# Altium PCB volt_sensor_breakout.PcbDoc (part 2 of 2)
Units mil, origin at the board's own origin, x right, y up, seen from the top; angles counter-clockwise.
Board outline 9380 x 6000 mil, 2 copper layers (Top Layer, Bottom Layer); 277 components, 136 nets, 760 pads, 123 vias.
Unrouted connection lines stored in the file: 91.
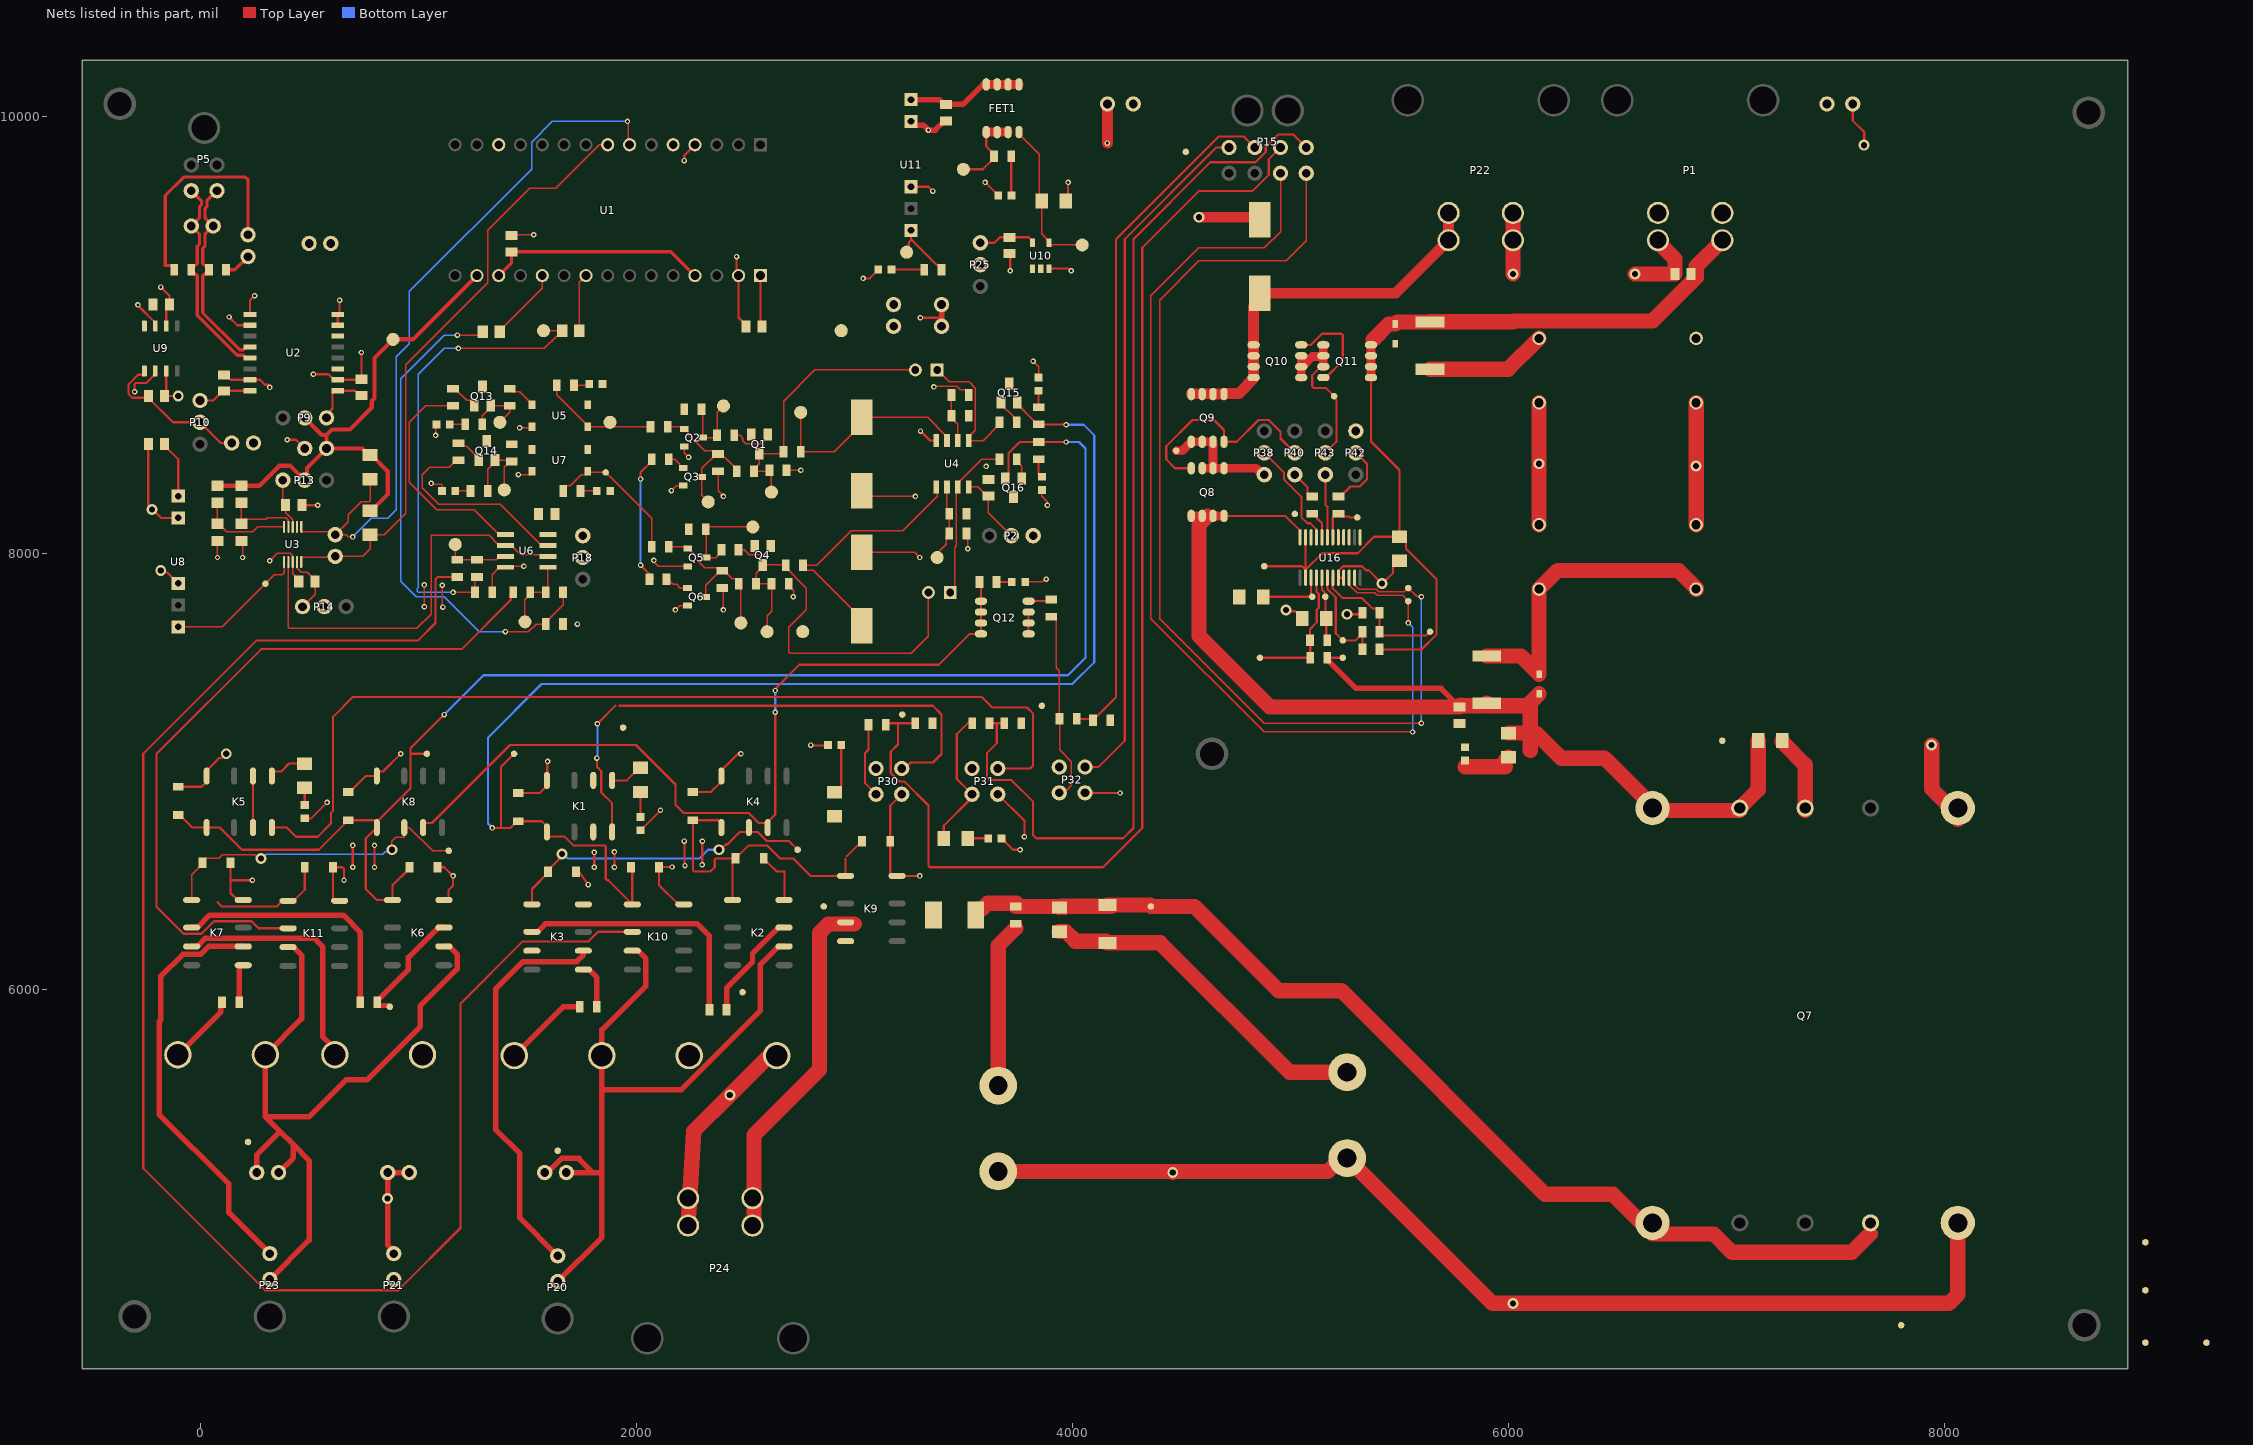
[diagram p2: the nets of this part, all layers, seen from the top]

## Part data (continued)
R104: library part ERJ-6ENF8062V, "RES SMD 80.6K OHM 1% 1/8W 0805", Digi-Key Part Number=P80.6KCCT-ND, Manufacturer="Panasonic Electronic Components", Operating Temperature="-55°C ~ 155°C", Package / Case="0805 (2012 Metric)", Power (Watts)="0.125W, 1/8W", Supplier Device Package=0805, Temperature Coefficient=±100ppm/°C, Tolerance=±1%, @ qty=1500, Composition="Thick Film", Datasheets=http://industrial.panasonic.com/www-cgi/jvcr13pz.cgi?E+PZ+3+AOA0002+ERJ6ENF8062V+7+WW, Factory Stock=0, Failure Rate=-, Features="Automotive AEC-Q200", Height - Seated (Max)="0.028\" (0.70mm)", Image=//media.digikey.com/Renders/Panasonic%20Renders/ERJ-0805%20Pkg.jpg, Minimum Quantity=1, Number of Terminations=2, Packaging="Cut Tape (CT)", Part Number=ERJ-6ENF8062V, Part Status=Active, Quantity Available=48051, Series=ERJ, Size / Dimension="0.079\" L x 0.049\" W (2.00mm x 1.25mm)", Unit Price (USD)=0.00729
TP1 TP2 TP3 TP4 TP5 TP6 TP7 TP8 TP9 TP10 TP11 TP12 TP13 TP14 TP15 TP18 TP19 TP20 TP21 TP22 TP23 TP24 TP25 TP26: library part CMP-039-000000-1, "SMD TEST POINT", Design Item ID=TP, Source=misc.SchLib
TP27 TP28 TP29 TP30 TP31 TP32 TP34 TP35 TP36 TP37 TP40 TP42 TP45 TP46 TP47 TP48 TP49 TP50 TP51 TP53 TP54 TP55 TP56 TP57 TP58 TP59 TP60 TP61 TP62 TP63 TP64: "SMD TEST POINT"
U1: library part CMP-020-000017-1, "BOARD NUCLEO STM32F303K8T6", Manufacturer=STMicroelectronics, ComponentLink1Description=http://www.farnell.com/datasheets/2064195.pdf?src-supplier=Farnell, ComponentLink1URL=http://www.farnell.com/datasheets/2064195.pdf?src-supplier=Farnell, ComponentLink2Description=http://www.st.com/content/ccc/resource/technical/document/data_brief/b1/d8/13/d4/b0/b7/4b/6e/DM00214578.pdf/files/DM00214578.pdf/jcr:content/translations/en.DM00214578.pdf?src-supplier=Digi-Key, ComponentLink2URL=http://www.st.com/content/ccc/resource/technical/document/data_brief/b1/d8/13/d4/b0/b7/4b/6e/DM00214578.pdf/files/DM00214578.pdf/jcr:content/translations/en.DM00214578.pdf?src-supplier=Digi-Key, ComponentLink3Description=http://www.farnell.com/datasheets/1966773.pdf?src-supplier=Element14, ComponentLink3URL=http://www.farnell.com/datasheets/1966773.pdf?src-supplier=Element14, ComponentLink4Description=http://www.farnell.com/datasheets/2064195.pdf?src-supplier=Newark, ComponentLink4URL=http://www.farnell.com/datasheets/2064195.pdf?src-supplier=Newark, ComponentLink5Description=http://www.st.com/st-web-ui/static/active/en/resource/technical/document/user_manual/DM00116575.pdf?s_searchtype=keyword&src-supplier=Avnet+Asia, ComponentLink5URL=http://www.st.com/st-web-ui/static/active/en/resource/technical/document/user_manual/DM00116575.pdf?s_searchtype=keyword&src-supplier=Avnet+Asia, ComponentLink6Description=http://www.st.com/st-web-ui/static/active/en/resource/technical/document/user_manual/DM00116575.pdf?s_searchtype=keyword&src-supplier=Avnet, ComponentLink6URL=http://www.st.com/st-web-ui/static/active/en/resource/technical/document/user_manual/DM00116575.pdf?s_searchtype=keyword&src-supplier=Avnet, ComponentLink7Description=http://www.farnell.com/datasheets/2064195.pdf?src-supplier=Element14, ComponentLink7URL=http://www.farnell.com/datasheets/2064195.pdf?src-supplier=Element14, Core Architecture=ARM, Design Item ID=NUCLEO-L432KC, Evaluation Kit=Yes, Lead Free="Lead Free", Manufacturer Part Number=NUCLEO-L432KC, Number of Bits=32, PartId=1, Pricing 1="1=10.99000 (USD)", Pricing 2="1=12.40000 (USD)", REACH SVHC="No SVHC", RoHS=Yes, Source=ic.SchLib, Stock 1=171, Stock 2=56
U2: library part CMP-031-00010-1, "IC TXRX/ISO HALF 1/1 16SOIC", Manufacturer="Texas Instruments", Max Operating Temperature=105°C, Min Operating Temperature=-55°C, Package Body Material=Plastic, Package Code=SOP, Package Shape=Rectangular, Package Style="SMALL OUTLINEMeter", Peak Reflow Temperature (Cel)=260°C, Supply Voltage-Nom=5V, Temperature Grade=OTHER, Category="Interface ICs", ComponentLink1Description=https://www.ti.com:443/lit/ds/symlink/iso1050.pdf?src-supplier=IHS+Markit, ComponentLink1URL=https://www.ti.com:443/lit/ds/symlink/iso1050.pdf?src-supplier=IHS+Markit, ComponentLink2Description=https://datasheet.ciiva.com/4782/slls983e-121851-4782209.pdf?src-supplier=Mouser, ComponentLink2URL=https://datasheet.ciiva.com/4782/slls983e-121851-4782209.pdf?src-supplier=Mouser, ComponentLink3Description=https://datasheet.ciiva.com/26913/getdatasheetpartid-573378-26913111.pdf?src-supplier=Verical, ComponentLink3URL=https://datasheet.ciiva.com/26913/getdatasheetpartid-573378-26913111.pdf?src-supplier=Verical, Design Item ID=ISO1050DWR, Height - Seated (Max)=2.65mm, JESD-30 Code=R-PDSO-G16, JESD-609 Code=e4, Length=10.3mm, Manufacturer Part Number=ISO1050DWR, Moisture Sensitivity Level=2, Number of Functions=1, Pins=16, Pricing 1="1=6.50000, 10=5.84000, 25=5.52000, 50=5.52000, 100=4.79000, 1000=3.56000, 10000=3.56000 (USD)", Qualification Status="Not Qualified", REACH SVHC=Yes, RoHS=Yes, RoHS Compliant=Yes, Source=ic.SchLib, Surface Mount=Yes, Telecom IC Type="INTERFACE CIRCUIT", Terminal Finish=Nickel, Terminal Form="Gull Wing", Terminal Pitch=1.27mm, Terminal Position=DUAL, Width=7.5mm
U3: library part CMP-008-000013-1, "Digital Potentiometer, 1 Func, 10000ohm, 2-wire Serial Control Interface, 128 Positions, PDSO10"
U4: library part CMP-014-00006-1, "IC OPAMP JFET 3MHZ 8SOIC", Case/Package=D, Dual Supply Voltage=9V, Input Bias Current=200pA, Input Offset Voltage (Vos)=10mV, Manufacturer="Texas Instruments", Max Operating Temperature=85°C, Max Supply Voltage=18V, Min Operating Temperature=-40°C, Min Supply Voltage=3.5V, Nominal Supply Current=5mA, Operating Supply Current=1.4mA, Package Quantity=1, Voltage Gain=106.02dB, Bandwidth=3MHz, Common Mode Rejection Ratio=70dB, ComponentLink1Description=http://www.ti.com/lit/ds/symlink/tl071a.pdf?src-supplier=Digi-Key, ComponentLink1URL=http://www.ti.com/lit/ds/symlink/tl071a.pdf?src-supplier=Digi-Key, ComponentLink2Description=http://www.ti.com/general/docs/lit/getliterature.tsp?genericPartNumber=TL072&&fileType=pdf&src-supplier=Avnet, ComponentLink2URL=http://www.ti.com/general/docs/lit/getliterature.tsp?genericPartNumber=TL072&&fileType=pdf&src-supplier=Avnet, ComponentLink3Description=http://www.farnell.com/datasheets/1882732.pdf?src-supplier=Element14, ComponentLink3URL=http://www.farnell.com/datasheets/1882732.pdf?src-supplier=Element14, Contact Plating=Gold, Design Item ID=TL072CDR, Gain Bandwidth Product=3MHz, Height=1.58mm, Lead Free="Lead Free", Length=4.9mm, Manufacturer Part Number=TL072CDR, Max I/O Voltage=10mV, Nominal Gain Bandwidth Product=3MHz, Number of Amplifiers=2, Number of Channels=2, Number of Circuits=2, Number of Elements=2, Packaging="Tape and Reel", Pins=8, Pricing 1="1=0.41, 10=0.334, 100=0.2059, 500=0.1562, 1000=0.11715 (USD)", Radiation Hardening=No, REACH SVHC="No SVHC", Slew Rate=13V/µs, Source=ic.SchLib, Stock 1=21821, Unity Gain Bandwidth Product=3MHz, Width=3.91mm
U5 U7: library part CMP-020-000001-1, "Transistor Output Optocoupler", Manufacturer=Isocom, Category=Optocouplers, ComponentLink1Description=https://datasheet.ciiva.com:443/pdfs/VipMasterIC/IC/ISCL/ISCL-S-A0004892693/ISCL-S-A0004892693-1.pdf?src-supplier=IHS+Markit, ComponentLink1URL=https://datasheet.ciiva.com:443/pdfs/VipMasterIC/IC/ISCL/ISCL-S-A0004892693/ISCL-S-A0004892693-1.pdf?src-supplier=IHS+Markit, ComponentLink2Description=https://datasheet.ciiva.com/7996/90946-7996982.pdf?src-supplier=Element14, ComponentLink2URL=https://datasheet.ciiva.com/7996/90946-7996982.pdf?src-supplier=Element14, Design Item ID=IS181D, Manufacturer Part Number=IS181D, Pricing 1="1=0.59000, 10=0.36000, 100=0.20720, 1000=0.16218 (USD)", RoHS=Yes, RoHS Compliant=Yes, Source=ic.SchLib, Stock 1=15104
U6: library part CMP-014-00010-1, "Comparator, 2 Func, 7000uV Offset-Max, 240000ns Response Time, CMOS, PDSO8", Max Operating Temperature=70°C, Min Operating Temperature=0°C, Output Type=PUSH-PULL, RoHS Compliant=Yes
U8 U11: library part CMP-008-000009-3, "DC-DC Regulated Power Supply Module, 1 Output, 1W, Hybrid"
U9: library part CMP-031-00025-1, "Fixed Positive Standard Regulator, 5VBIPolar, PDSO8", RoHS Compliant=Yes
U10: library part CMP-017-000001-1, "AND Gate, 4000/14000/40000 Series, 1-Func, 2-Input, CMOS, PDSO5", Load Capacitance (CL)=50pF, Manufacturer=Rohm, Max Operating Temperature=85°C, Min Operating Temperature=-40°C, Package Body Material=Plastic, Package Code=LSSOP, Package Equivalence Code=TSOP5/6,.11,37, Package Shape=Rectangular, Package Style="SMALL OUTLINE, LOW PROFILE, SHRINK PITCHMeter", Power Supplies=3/16V, Supply Voltage-Max (Vsup)=16V, Supply Voltage-Min (Vsup)=3V, Supply Voltage-Nom (Vsup)=5V, Temperature Grade=INDUSTRIAL, Category="Logic Gates", ComponentLink1Description=https://datasheet.ciiva.com:443/pdfs/VipMasterIC/IC/ROHM/ROHM-S-A0001749750/ROHM-S-A0001749750-1.pdf?src-supplier=IHS+Markit, ComponentLink1URL=https://datasheet.ciiva.com:443/pdfs/VipMasterIC/IC/ROHM/ROHM-S-A0001749750/ROHM-S-A0001749750-1.pdf?src-supplier=IHS+Markit, ComponentLink2Description=https://datasheet.ciiva.com/12254/bu4s81g2-e-209681-12254411.pdf?src-supplier=Mouser, ComponentLink2URL=https://datasheet.ciiva.com/12254/bu4s81g2-e-209681-12254411.pdf?src-supplier=Mouser, ComponentLink3Description=https://datasheet.ciiva.com/1508/bu4s81g2-e-1508101.pdf?src-supplier=Element14, ComponentLink3URL=https://datasheet.ciiva.com/1508/bu4s81g2-e-1508101.pdf?src-supplier=Element14, ComponentLink4Description=https://datasheet.ciiva.com/1508/bu4s81g2-e-1508102.pdf?src-supplier=Element14, ComponentLink4URL=https://datasheet.ciiva.com/1508/bu4s81g2-e-1508102.pdf?src-supplier=Element14, ComponentLink5Description=https://datasheet.ciiva.com/8274/bu4s01g2-e-8274597.pdf?src-supplier=Avnet, ComponentLink5URL=https://datasheet.ciiva.com/8274/bu4s01g2-e-8274597.pdf?src-supplier=Avnet, ComponentLink6Description=https://datasheet.ciiva.com/6619/bu4s01g2-e-6619800.pdf?src-supplier=Digi-Key, ComponentLink6URL=https://datasheet.ciiva.com/6619/bu4s01g2-e-6619800.pdf?src-supplier=Digi-Key, ComponentLink7Description=https://datasheet.ciiva.com/6619/bu4s01g2-e-6619813.pdf?src-supplier=Digi-Key, ComponentLink7URL=https://datasheet.ciiva.com/6619/bu4s01g2-e-6619813.pdf?src-supplier=Digi-Key, ComponentLink8Description=https://datasheet.ciiva.com/6619/bu4s01g2-e-6619814.pdf?src-supplier=Digi-Key, ComponentLink8URL=https://datasheet.ciiva.com/6619/bu4s01g2-e-6619814.pdf?src-supplier=Digi-Key, ComponentLink9Description=https://datasheet.ciiva.com/16678/bu4s01g2-e-16678569.pdf?src-supplier=Avnet+Europe, ComponentLink9URL=https://datasheet.ciiva.com/16678/bu4s01g2-e-16678569.pdf?src-supplier=Avnet+Europe, Design Item ID=BU4S81G2-TR, Height - Seated (Max)=1.25mm, JESD-30 Code=R-PDSO-G5, Length=2.9mm, Logic IC Type="AND GATE", Manufacturer Part Number=BU4S81G2-TR, Moisture Sensitivity Level=1, Number of Functions=1, Number of Inputs=2, Number of Pins=5, Packaging="Tape and Reel", Pricing 1="1=0.90000, 10=0.79200, 25=0.74400, 100=0.60720, 250=0.56396, 500=0.47996, 1000=0.38397 (USD)", Qualification Status="Not Qualified", REACH SVHC=Yes, RoHS=Yes, RoHS Compliant=Yes, Schmitt Trigger=No, Source=ic.SchLib, Stock 1=2698, Surface Mount=Yes, Technology=CMOS, Terminal Form="Gull Wing", Terminal Pitch=0.95mm, Terminal Position=DUAL, Width=1.6mm
U16: library part CMP-008-000010-2, "Power Supply Support Circuit, Adjustable, 3 Channel, CMOS, PDSO24"

## Via types
v1: diameter 25, hole 13, Top Layer to Bottom Layer, 101 vias
v2: diameter 50, hole 28, Top Layer to Bottom Layer, 22 vias

## Nets (pads, with @x,y where several pads share a name; then routed paths per layer and width w, separated by ;. In a path a pad name is that pad's centre, name@x,y a point inside that pad or via, vN(x,y) a via of type N, cw(c..) or ccw(c..) an arc to the next point about the centre after c; other vN are vias at no path point)
12V_DCDC: C21.1 D4.2 P4.1 Q7.9 Q7.10 Q8.5 Q8.6 Q8.7 Q8.8 R27.2 R91.2 R94.1 R97.1 TP50.1 TP55.1 U16.24 | length 5344
  Top Layer w10: Q8.8@4695,8170.75 4976.48,8170.75 5045.07,8102.16 U16.24@5045.07,8101.62 ; R97.1@5169.09,7520 TP55.1@5240,7520
  Top Layer w25: R97.1@5169.09,7520 5169.09,7511.14 5300.24,7380 5690.62,7380 C21.1@5775.82,7294.8
  Top Layer w40: Q8.5@4545,8170.75 Q8.6@4595,8170.75 4620,8170.75 Q8.7@4645,8170.75 Q8.8@4695,8170.75
  Top Layer w70: 4620,8170.75 4580,8130.75 4580,7620 4905.2,7294.8 C21.1@5775.82,7294.8 C21.1@5781.01,7300 ; C21.1@5772.71,7300 C21.1@5781.01,7300 ; C21.1@5783.38,7302.37 C21.1@5781.01,7300 ; R27.2@5880,7300 C21.1@5781.01,7300 ; R27.2@5890.67,7302.37 R27.2@5900,7311.69 ; R27.2@5900,7300 6096.97,7300 ; R94.1@6000,7175.12 6124.88,7175.12 6240,7060 6440,7060 6660,6840 Q7.10@6660,6830.79 ; 6096.97,7311.69 6100,7314.72 ; 6100,7095.12 6100,7314.72 ; D4.2@6140,7354.72 6100,7314.72 ; Q7.10@6680,6820 Q7.9@7060,6820 ; Q7.9@7060,6830.79 7144.88,6915.67 R91.2@7144.88,7140
12V_RAW: C16.1 C19.1 C23.1 FET1.1 FET1.2 FET1.3 K1.3 K1.6 K5.3 K5.6 P2.3 P3.2 P22.2 P25.2 P30.2 P31.2 P32.2 Q1.2 Q4.2 Q9.5 Q9.6 Q9.7 Q9.8 Q10.5 Q10.6 Q10.7 Q10.8 Q12.1 Q12.2 Q12.3 Q15.3 Q16.3 R3.1 R25.1 R35.2 R47.2 R55.2 TP25.1 U5.4 U7.4 U8.1 U9.8 U16.15 | length 2791.1
  Top Layer w10: C16.1@-162.6,8500 -162.6,8493.11 -100,8430.51 U8.1@-100,8261.5 ; K5.3@242.99,6741.89 K5.6@242.99,6978.11 ; TP25.1@3500,9760 3589.49,9760 3640.63,9811.14 R47.2@3640.63,9820 3640.63,9828.86 3605,9864.49 FET1.1@3605,9930.75 ; Q12.1@3799.37,7629.88 Q12.2@3799.37,7679.88 Q12.3@3799.37,7729.88
  Top Layer w40: FET1.1@3605,9930.75 FET1.2@3655,9930.75 FET1.3@3705,9930.75
  Top Layer w50: Q9.8@4545,8730.75 Q9.6@4635,8730.75 ; Q9.6@4638.31,8727.48 Q9.6@4645,8727.48 ; Q9.6@4645,8729.25 Q9.5@4695,8729.25 4698.54,8732.8 4763.27,8732.8 4830.75,8800.28 Q10.8@4830.75,8805 Q10.7@4830.75,8855 Q10.6@4830.75,8905 Q10.5@4830.75,8955 4830.75,9129.96 4863.62,9162.83 C19.1@4863.62,9178.18 ; C19.1@4860,9191.69 5481.89,9191.69 P22.2@5725,9434.8 P22.2@5725,9560
12V_SUPPL: C20.1 D9.2 P1.1 Q11.5 Q11.6 Q11.7 Q11.8 R34.2 R100.1 R102.2 TP60.1 U16.2 U16.23 | length 4516.8
  Top Layer w10: TP60.1@4880,7940 5053.14,7940 5068.47,7924.67 5068.47,7888.2 U16.2@5069.19,7887.48 ; U16.2@5068.47,7886.76 U16.2@5069.19,7887.48 ; U16.23@5069.19,8072.52 U16.2@5069.19,7887.48 ; Q11.5@5369.25,8805 5369.25,8511.79 5500,8381.04 R102.2@5500,8075.12 ; R100.1@5408.46,7560 5406.5,7558.03 5600.46,7558.03 5670,7627.57 5670,7879.09 5529.45,8019.64 5529.45,8051.57 5505.91,8075.12 R102.2@5500,8075.12 ; U16.2@5069.19,7887.48 5069.92,7888.2 5069.92,7924.67 5145.14,7999.9 5308.04,7999.9 5383.26,8075.12 R102.2@5500,8075.12
  Top Layer w40: Q11.5@5369.25,8805 Q11.6@5369.25,8855 Q11.7@5369.25,8905 Q11.8@5369.25,8955
  Top Layer w70: 5380,8980 5450.55,9050.55 D9.2@5480,9050.55 5489.45,9060 R34.2@5640,9060 5641,9061 6021,9061 6025,9065 6660.74,9065 6860,9264.26 6860,9314.8 P1.1@6980,9434.8
78_MC: Q13.2 R18.1 R24.2 TP8.1 | length 293.2
  Top Layer w6: R24.2@1294.37,8590.37 1294.37,8630.79 1332.4,8668.82 Q13.2@1332.4,8676.69 1333.46,8675.63 R18.1@1420,8675.63 1420,8645 TP8.1@1375,8600 ; R24.2@1304,8600 R24.2@1304,8608.86
78_MPPT: Q14.2 R29.1 R31.2 TP14.1 | length 392.9
  Top Layer w6: R31.2@1324.37,8290 R31.2@1319.37,8285 1319.37,8385.79 1352.4,8418.82 Q14.2@1352.4,8426.69 1423.94,8426.69 R29.1@1430,8420.63 1421.14,8420.63 1395,8394.49 TP14.1@1395,8290
BATTERY_REF: U3.7 U6.2 U6.6 | length 1920.8
  Top Layer w6: U3.7@405.31,7959.29 405.31,7658.2 408.83,7654.68 994.68,7654.68 1060,7720 1060,8079.49 1063.51,8083 1325,8083 1373,8035 U6.2@1401,8035 1429,8035 1471,7993 1587,7993 U6.6@1595,7985
BOTH_PRC_DONE: FET1.4 R65.2 TP24.1 U10.4 | length 711
  Top Layer w6: FET1.4@3755.75,9920 3847,9828.75 3847,9627.88 R65.2@3859.88,9615 3859.88,9463.45 3892.4,9430.93 U10.4@3892.4,9423.06 3892.4,9421.81 3901.21,9413 TP24.1@4045,9413
CAN_N: "LV CAN.1" P5.4 R1.2 U2.12 | length 943
  Top Layer w15: P5.4@78,9662 31.5,9615.5 31.5,9587.64 22.5,9578.64 22.5,9537.5 60,9500 22.5,9462.5 22.5,9406.99 12.81,9397.3 12.81,9327.86 21.6,9319.07 30.41,9319.07 40.63,9308.86 R1.2@40.63,9300 40.63,9291.14 30.41,9280.93 21.6,9280.93 12.81,9272.14 12.81,9101.08 181.4,8932.5 198.21,8932.5 210.71,8945 U2.12@228.43,8945
CAN_P: "LV CAN.2" P5.3 R4.2 U2.13 | length 984.4
  Top Layer w15: P5.3@-40,9662 6.5,9615.5 6.5,9598 -2.5,9589 -2.5,9537.5 -40,9500 -2.5,9462.5 -2.5,9417.34 -12.19,9407.66 -12.19,9327.86 -20.97,9319.07 -29.78,9319.07 -40,9308.86 R4.2@-40,9300 -40,9291.14 -29.78,9280.93 -20.97,9280.93 -12.19,9272.14 -12.19,9090.73 171.04,8907.5 198.21,8907.5 210.71,8895 U2.13@228.43,8895
COMM_N: "HV CAN.1" U1.3.5 U2.6
COMM_P: "HV CAN.2" U1.3.13 U2.3
DCDC_IN: C14.1 FET1.5 FET1.6 FET1.7 FET1.8 U11.1 | length 692.4
  Top Layer w25: U11.1@3260,10080 3390.51,10080 3413.11,10057.4 C14.1@3420,10057.4 3497.4,10057.4 3589.25,10149.25 FET1.8@3605,10149.25 FET1.7@3655,10149.25 FET1.6@3705,10149.25 FET1.5@3755,10149.25
  Top Layer w40: FET1.8@3605,10149.25 FET1.5@3755,10149.25
G_MC: Q15.1 R16.1 | length 121.4
  Top Layer w6: Q15.1@3672.6,8691.69 3672.6,8683.82 3729.65,8626.76 3729.65,8614.72 R16.1@3744.37,8600
G_MPPT: Q16.1 R8.1 | length 96.2
  Top Layer w6: R8.1@3744.37,8430 3744.37,8421.14 3767.4,8398.11 Q16.1@3767.4,8343.31
HV-POS3.3V: 3V3.2 P9.2 P13.2 R9.2 R10.2 R11.2 R12.2 TP1.1 U1.4.14 | length 2503.6
  Top Layer w20: R10.2@80,8309.37 R9.2@190,8309.37 272.21,8309.37 362.84,8400 415,8400 P13.2@480,8335 490.69,8345.69 490.69,8390.69 3V3.2@580,8480 ; P9.2@480,8620 558.39,8541.61 580,8541.61 ; R11.2@780,8195.12 785.91,8195.12 860,8269.21 860,8376.02 785.91,8450.12 R12.2@780,8450.12 774.09,8450.12 744.21,8480 3V3.2@580,8480 ; U1.4.14@1269.37,9272.6 976.77,8980 TP1.1@885,8980 800,8895 800,8709.62 787.56,8697.18 787.56,8667.56 687.07,8567.07 605.46,8567.07 580,8541.61 ; 3V3.2@580,8480 580,8541.61
HV-POS5V: C2.1 U1.4.4 U1.4.13 | length 1020
  Top Layer w15: U1.4.13@1369.37,9272.6 1428.39,9331.61 C2.1@1428.39,9381.61 ; C2.1@1428.39,9382.6 2159.37,9382.6 U1.4.4@2269.37,9272.6
HV_12V: "HV 12V.1" "HV 12V.2" C25.1 P14.2 P18.2 Q13.3 Q14.3 R66.2 TP26.1 U1.4.1 U11.7 | length 546.5
  Top Layer w6: C25.1@2569.37,9048.03 C25.1@2577.4,9040
  Top Layer w10: C25.1@2569.37,9048.03 U1.4.1@2569.37,9272.6 ; TP26.1@3240,9380 3249.57,9389.57 3249.57,9423.83 3260,9434.26 3260,9439.37 ; U11.7@3260,9480 3260,9439.37 ; R66.2@3399.37,9300 3399.37,9308.86 3386.65,9321.57 3377.8,9321.57 3260,9439.37
HV_GND: 3V3.1 "HV GND.1" "HV GND.2" C2.2 C3.2 C5.2 C6.2 C7.1 C17.2 C18.2 C25.2 HV_GND.1 HV_GND.2 LED2.2 LED4.2 LED8.2 P21.1 P21.2 P24.1 Q7.5 R13.1 R14.1 R22.1 R33.1 R70.1 R78.1 TP13.1 U1.3.4 U1.4.2 U2.2 U2.7 U2.8 U3.2 U3.8 U5.2 U6.4 U7.2 U8.5 U11.5 | length 9025.6
  Top Layer w6: v1(80,7980) R14.1@80,8055.63 ; R13.1@190,8055.63 195,8050.63 v1(195,7980) ; v1(320,7965.5) 354.35,7999.85 412.74,7999.85 424.26,7988.32 424.26,7960.03 U3.8@425,7959.29 425,7904.49 452.6,7876.89 C6.2@452.6,7870 ; v1(1060,8320) 1063.64,8316.36 1103.64,8316.36 1109.49,8310.51 LED4.2@1109.49,8285 ; v1(1080,8540) 1080,8585.51 LED2.2@1084.49,8590 ; R22.1@1339.37,7820 1339.37,7901.37 1373,7935 U6.4@1401,7935 1406,7940 v1(1485,7940) ; C2.2@1428.39,9456.42 1431.97,9460 v1(1530,9460) ; v1(1460,8360) 1510.61,8360 1522.05,8371.43 U7.2@1522.05,8375.37 ; v1(1465,8575) 1516.68,8575 U5.2@1522.05,8580.37
  Top Layer w10: v2(-180,7920) -171.58,7911.58 -150.08,7911.58 U8.5@-100,7861.5 ; v1(400,8520) 440,8520 3V3.1@480,8480 ; C5.2@467.4,8220 v1(540,8220) ; v1(520,8820) 588.86,8820 613.86,8795 U2.2@631.57,8795 737.6,8795 C3.2@740,8797.4 v1(740,8920) ; U2.7@631.57,9045 631.57,9093.39 640,9101.81 v1(640,9160) ; v1(2220,9800) 2220,9823.23 U1.3.4@2269.37,9872.6 ; v1(2460,9360) 2460,9281.97 U1.4.2@2469.37,9272.6 2469.37,9080.12 2502.6,9046.89 C25.2@2502.6,9040 ; v1(3040,9260) 3070.47,9260 LED8.2@3109.49,9299.02 ; U11.5@3260,9680 3340,9680 v1(3360,9660) ; v1(3303.31,9079.59) 3389.59,9079.59 3400,9090
  Top Layer w25: P21.2@888.28,4788 888.28,4800.18 860,4828.46 v2(860,5040) HV_GND.2@860,5160 HV_GND.1@960,5160 ; LED8.2@3109.49,9299.02 LED8.2@3109.49,9300 ; 3400,9040 3400,9090 3400,9140
  Top Layer w70: P24.1@2237.99,4916.93 2245.42,5041.68 2245.68,5046.03 2263.81,5350.34 v2(2429.09,5515.62) 2599.04,5685.57 2633.65,5685.57 R70.1@2644.36,5696.28 ; C18.2@3660,5165.04 4454.96,5165.04 v2(4460,5160) ; v2@4460,5165.04 5170.8,5165.04 5232.07,5226.3 C17.2@5260,5226.3 5926.3,4560 v2(6020,4560) 8018.99,4560 8060,4601.01 Q7.5@8060,4878.43
  other v1: 1730,7675
HV_IN_DCDC: K9.3 P24.2 TP49.1 | length 1659.9
  Top Layer w70: P24.2@2539.03,4902.34 2539.03,4945.3 2540,4946.26 2540,5026.57 2539.03,5027.54 2539.03,5041.16 2540,5042.13 2539.03,5043.09 2539.03,5070.49 2540,5071.46 2540,5331.53 2840,5631.53 2840,6258.99 2881.01,6300 3000,6300
HV_IN_MC: K3.6 P20.2 TP32.1 | length 1827.2
  Top Layer w25: P20.2@1640,4778 1466.37,4951.63 1466.37,5246.37 1355.72,5357.03 1355.72,6001.12 1481.27,6126.67 1726.67,6126.67 1758.11,6158.11 K3.6@1758.11,6177.01
HV_IN_MPPT: K7.6 P23.2 TP42.1 | length 1919.8
  Top Layer w25: K7.6@198.11,6197.01 38.79,6197.01 2.51,6160.73 -79.27,6160.73 -180,6060 -180,5860 -187.07,5852.93 -187.07,5427.07 132,5108 132,4976 P23.2@320,4788
HV_OUT_MC: K2.6 K10.3 OUT_MC.1 OUT_MC.2 P20.1 R75.2 | length 3401.5
  Top Layer w25: OUT_MC.1@1580,5160 1592.41,5160 1657.77,5225.36 1740,5225.36 1740,5220 1800,5160 ; P20.1@1640,4660 1842.78,4862.78 1842.78,5160 ; OUT_MC.2@1683.54,5156.46 OUT_MC.2@1680,5160 1800,5160 ; K10.3@1981.89,6177.01 2007.48,6177.01 2043.76,6140.73 2043.76,6015 1842.78,5814.03 R75.2@1842.78,5696.28 1842.78,5540 ; K2.6@2678.11,6197.01 2652.52,6197.01 2568.15,6112.64 2568.15,5900.75 2207.41,5540 1842.78,5540 ; 1800,5160 1842.78,5160 ; 1842.78,5160 1842.78,5540
HV_OUT_MPPT: K6.6 K11.3 OUT_MPPT.1 OUT_MPPT.2 P23.1 R83.2 TP15.1 | length 3537.4
  Top Layer w25: OUT_MPPT.2@260,5160 260,5240 367.46,5347.46 ; P23.1@320,4670 500,4850 500,5214.93 427.46,5287.46 ; OUT_MPPT.1@360,5160 427.46,5227.46 427.46,5287.46 ; K11.3@403.78,6193.39 429.37,6193.39 465.65,6157.11 465.65,5865.65 R83.2@300,5700 300,5414.93 ; K6.6@1118.11,6197.01 1143.7,6197.01 1179.98,6160.73 1179.98,6095.37 1009.87,5925.26 1009.87,5829.87 765.04,5585.04 669.65,5585.04 499.54,5414.93 300,5414.93 ; 300,5414.93 367.46,5347.46 ; 367.46,5347.46 427.46,5287.46
HV_POT_12V: TP2.1 U3.6 U8.7 | length 638.4
  Top Layer w6: U8.7@-100,7661.5 101.5,7661.5 TP2.1@300,7860 340,7900 376.49,7900 385.63,7909.14 U3.6@385.63,7959.29
HV_SENSE_MC: K10.2 R17.2 | length 7550.8
  Top Layer w10: R17.2@1180,7890.63 1090.63,7890.63 1080,7880 1080,7680 1000,7600 260,7600 -260,7080 -260,7000 -260,5294.14 -260,5179.29 299.29,4620 908.99,4620 1194.5,4905.5 1194.5,5934.5 1480,6220 1780.78,6220 1824.4,6263.62 K10.2@1981.89,6263.62
HV_SENSE_MPPT: K11.2 R28.2 | length 3349.8
  Top Layer w10: K11.2@403.78,6280 268.02,6280 235.62,6312.4 63.98,6312.4 6.42,6254.84 -75.62,6254.84 -200,6379.22 -200,7080 280,7560 1200,7560 1425.06,7785.06 1425.06,7809.43 R28.2@1435.63,7820
I2C_SCL: I2C.1 R11.1 U1.3.8 U3.10 | length 2787.1
  Top Layer w6: U3.10@464.37,7959.29 464.37,7980.19 466.15,7981.96 616.96,7981.96 I2C.1@620,7985 745,7985 780,8020 R11.1@780,8084.88 844.88,8084.88 944,8184 944,8864 1320,9240 1320,9480 1512.35,9672.35 1630.1,9672.35 1830.25,9872.5 1869.27,9872.5 U1.3.8@1869.37,9872.6 U1.3.8@1869.69,9872.28
I2C_SDA: I2C.2 R12.1 U1.3.7 U3.1 | length 3390
  Top Layer w6: U3.1@464.37,8120.71 464.37,8099.11 466.15,8097.34 607.66,8097.34 I2C.2@620,8085 669.73,8085 680.23,8074.5 v1(700,8074.5) ; I2C.2@626.21,8086.21 626.21,8091.21 680,8145 680,8176.49 740.17,8236.66 776.49,8236.66 780,8240.18 R12.1@780,8339.88 ; v1(1960,9980) 1963.64,9976.36 1963.64,9878.33 U1.3.7@1969.37,9872.6
  Bottom Layer w6: v1(700,8074.5) 785.5,8160 860,8160 900,8200 900,8900 960,8960 960,9200 1520,9760 1520,9884.21 1615.79,9980 v1(1960,9980)
LO_CONT_DR: P15.1 P32.4 TP48.1 | length 3184.6
  Top Layer w10: P32.4@4058,7019 4119,7019 4240,7140 4240,9440 4660,9860 P15.1@4718.51,9860
LO_CONT_MPS: P32.1 R67.2 R71.1 | length 892.8
  Top Layer w6: R67.2@3902.93,7708.45 3911.79,7708.45 3926.51,7693.73 3926.51,7473.49 3940,7460 R71.1@3940,7248.72 ; P32.1@3936.14,6876.14 3936.14,6879.83 3969.56,6913.25 3973.25,6913.25 3994.86,6934.86 3994.86,7043.93 3941.26,7097.54 R71.1@3941.26,7240
LO_CONT_TELEM: P15.2 R5.1 R44.2 R63.2 R71.2 | length 3776.5
  Top Layer w10: v1(2020,7944.49) 2075.63,7888.86 R63.2@2075.63,7880 ; v1(2020,8340) 2020,8370.51 2070.63,8421.14 R44.2@2070.63,8430 ; R71.2@4020,7240 4089.02,7240 R5.1@4094.58,7234.44 4200,7339.86 4200,9440 4670,9910 4786.51,9910 P15.2@4836.51,9860
  Bottom Layer w10: v1@2020,7940 v1(2020,7944.49) v1(2020,8340)
LV_GND: 5V0.1 C1.2 C4.2 C8.2 C9.2 C10.2 C11.2 C12.2 C13.1 C14.2 C15.2 C16.2 C19.2 C20.2 C21.2 C22.2 C23.2 D1.1 D2.1 D3.1 D5.1 D6.1 D7.1 D8.1 D10.1 D11.1 D12.1 D14.1 K1.8 K2.8 K3.8 K4.8 K5.8 K6.8 K7.8 K8.8 K9.8 K10.8 K11.8 LED1.2 LED3.2 LED5.2 LED6.2 LED9.2 LED10.2 LED11.2 LED12.2 LED14.2 LED15.2 LED16.2 P1.2 P3.1 P4.2 P22.1 P30.3 P31.3 P32.3 Q2.2 Q3.2 Q5.2 Q6.2 Q7.6 R5.2 R6.2 R15.2 R26.2 R38.1 R43.1 R46.2 R58.1 R62.1 R65.1 R99.1 R102.1 R103.1 R104.1 U2.9 U2.10 U2.15 U4.4 U8.2 U9.2 U9.3 U9.6 U9.7 U10.3 U11.2 U16.8 U16.9 U16.13 U16.16 U16.17 U16.22 | length 12014.9
  Top Layer w6: v1@2080,7960 2100.55,7939.45 Q5.2@2235.35,7939.45 ; v1(2161.32,8286.68) 2184.09,8309.45 Q3.2@2215.35,8309.45 ; v1(2180,7740) 2198.9,7758.9 Q6.2@2235,7758.9 ; Q2.2@2220,8488.9 2220,8460 v1(2240,8440) ; R38.1@2374.37,8375 R38.1@2375,8375.63 2375,8285 v1(2400,8260) ; R58.1@2395,7840.63 2400,7835.63 v1(2400,7740) ; R43.1@2689.37,8380 v1(2755,8380) ; R62.1@2699.37,7860 2699.37,7851.14 2722.57,7827.94 v1@2722.57,7807.94 ; C10.2@3035,8003.31 3276.69,8003.31 v1(3300,7980) ; C9.2@3035,8286.69 3061.69,8260 v1(3280,8260) ; v1(3365.01,8762.12) 3367.46,8764.57 3468.73,8764.57 3484.73,8748.57 3509.65,8748.57 3524.37,8733.86 R15.2@3524.37,8725 ; R26.2@3514.37,8090 3520,8084.37 3520,8024.06 v1@3520.83,8024.9 ; LED9.2@3783.45,7867.82 3862.67,7867.82 3874.86,7880 v1(3880,7880) ; v1(3820,8880) 3845,8855 LED5.2@3845,8805.51 ; LED6.2@3860.98,8289.49 LED6.2@3860,8289.49 3860,8260.14 3885.5,8234.64 v1(3885.5,8220)
  Top Layer w10: v1(-300,8740) -300,8774.14 -294.14,8780 -246.6,8780 -205,8821.6 U9.2@-205,8835.38 ; v1(-284.6,9138.17) -284.6,9135.45 -205,9055.86 U9.7@-205,9042.08 ; C16.2@-237.4,8500 -237.4,8220.83 -178.06,8161.5 U8.2@-100,8161.5 ; v1(-180,9220) -140,9180 C23.2@-140,9140 -155,9125 U9.6@-155,9042.08 ; C22.2@-162.6,8720 v2(-100,8720) ; C22.2@-155,8720.71 U9.3@-155,8835.38 ; D8.1@-100,6929.13 7.01,6929.13 30.39,6952.52 K5.8@30.39,6978.11 30.39,7003.7 80,7053.31 80,7054.14 85.86,7060 100,7060 v2(120,7080) ; C4.2@103.11,8817.4 C4.2@110,8817.4 116.89,8817.4 139.29,8795 U2.15@228.43,8795 275.23,8795 297.73,8772.5 314.14,8772.5 314.14,8769.92 320,8764.06 v1(320,8760) ; v1(132.93,9082.93) 170.85,9045 U2.10@228.43,9045 ; D11.1@140,6580 140,6500 ; K7.8@198.11,6409.61 172.52,6409.61 140,6442.13 140,6500 ; U2.9@228.43,9095 228.43,9158.43 v1(250,9180) ; v1(240,6500) 140,6500 ; LED12.2@480,6783.97 509.35,6783.97 v1(582.69,6857.31) ; K11.8@640,6405.98 619.16,6405.98 609.13,6416.01 D7.1@609.13,6560 652.51,6560 660,6552.51 v1(660,6500) ; D12.1@680,6904.57 686.1,6904.57 759.65,6978.11 K8.8@810.39,6978.11 810.39,6991.06 818.5,6999.17 839.17,6999.17 v1(920,7080) ; v1(700,6560) v1(700,6660) ; v1(800,6560) v1(800,6660) ; D14.1@1089.13,6560 1120,6560 v1(1160,6520) 1160,6475.33 1138.7,6454.03 1138.7,6417.72 1130.59,6409.61 K6.8@1118.11,6409.61 ; D2.1@1460,6900 1557.87,6900 1590.39,6932.52 K1.8@1590.39,6958.11 1592.07,6959.79 1592.07,7043.46 v1(1593.75,7045.14) ; D5.1@1724.57,6540 1735.78,6540 1738.71,6537.07 1739.28,6536.5 v1(1780,6480) ; v1(1807.59,6560.04) v1(1807.59,6627.8) ; v1(1899.73,6630.09) 1899.86,6629.95 1899.86,6560.14 v1(1900,6560) ; LED10.2@2020,6729.49 2020.98,6729.49 v1@2112.12,6820.62 ; v1(2164.39,6560.91) 2105.48,6560.91 D10.1@2104.57,6560 2104.57,6477.56 2192.52,6389.61 K10.8@2218.11,6389.61 ; v1(2220,6680) 2221.84,6678.16 2221.84,6569.47 v1(2223.68,6567.63) ; D6.1@2260,6904.57 2342.44,6904.57 2390.39,6952.52 K4.8@2390.39,6978.11 2390.39,7003.7 2466.69,7080 v1(2480,7080) ; v1(2302.29,6570.9) 2303.01,6571.63 2303.01,6678.47 v1(2303.74,6679.19) ; D1.1@2584.57,6600 2584.57,6593.9 2597.48,6580.98 2603.58,6580.98 2644.57,6540 2680,6540 2680,6411.5 K2.8@2678.11,6409.61 ; R62.1@2699.37,7860 R62.1@2700,7860.63 ; v1@2800,7118.39 2877.37,7118.39 LED14.2@2878.98,7120 ; P30.3@3217.52,6894.62 3164.57,6841.67 D3.1@3164.57,6680 3164.57,6530.81 3175.38,6520 K9.8@3196.22,6520 v1(3300,6520) ; v1@3300,8560 v1(3303.5,8560) 3347.2,8516.3 U4.4@3375,8516.3 ; v1(3600,9700) 3600.98,9700 3660,9640.98 LED3.2@3660,9640 ; P31.3@3658,6894.62 3780,6772.62 v1(3780,6700) ; LED15.2@3675.38,6693.33 LED15.2@3675.38,6692.35 3675.38,6691.36 3688.09,6678.65 3689.08,6678.65 3727.72,6640 v1(3760,6640) ; C13.1@3712,9373.6 3715,9370.6 v1(3715,9295) ; U10.3@3892.4,9304.94 3981,9304.94 3990.94,9295 v1(3995,9295) ; R65.1@3970.12,9615 3980,9624.88 v1(3980,9700) ; P32.3@4058,6901 4058.4,6900.6 4218.27,6900.6 v1(4218.67,6900.2) ; v1(4160,9880) v1@4160.47,9880.47 ; P3.1@4160.47,10059.53 P3.1@4160.94,10060 ; v2(4980,7740) 4986.02,7733.98 5020,7733.98 5024.53,7729.45 5030.43,7729.45 5053.98,7705.91 R99.1@5053.98,7700 ; U16.9@5244.19,7887.48 U16.8@5219.19,7887.48 5219.19,7917.99 5241.08,7939.88 5328.26,7939.88 5346.59,7921.56 5358.44,7921.56 v2(5420,7860) 5470.55,7910.55 5470.55,7941.34 5494.09,7964.88 R102.1@5500,7964.88 ; v2(5260,7720) 5322.94,7720 R104.1@5329.72,7726.78 ; P4.2@7578.11,10060 7578.11,9983.41 7630.58,9930.94 v2(7630.58,9870.58)